# Allegro board PandaX_III_V3.brd (continued)
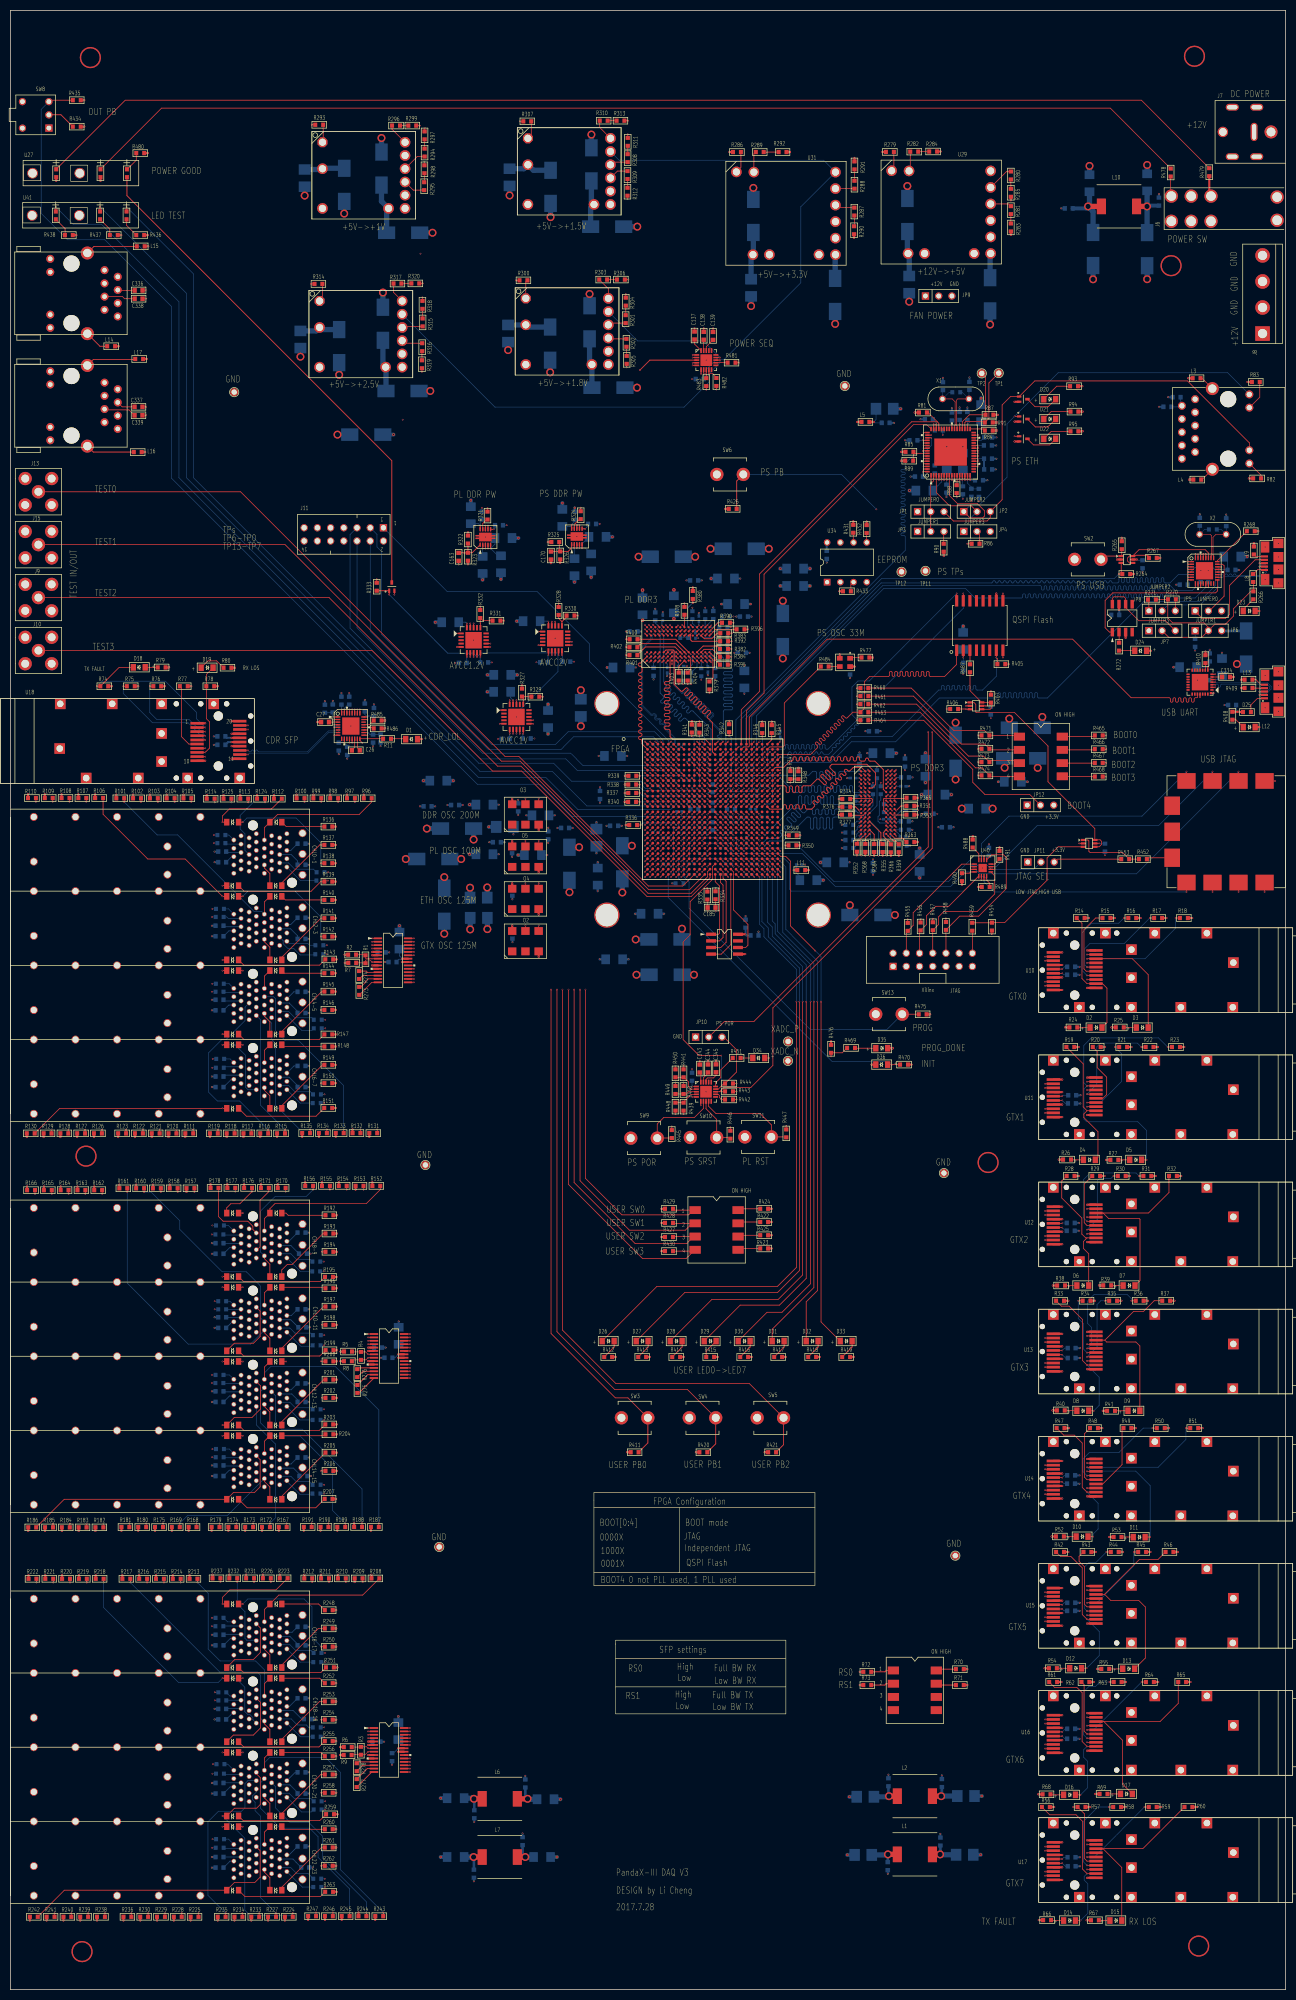
[diagram p0: board, top side]
## Routing (per net, layer and track width the routed paths; a pad name or vN(x,y) marks a point on that pad's centre or on a via; arc(x,y) is an arc through that point) (continued)
DDR3_DQ0: length 41
  TOP w0.152: U1.J26 148.75,231.12 arc(148.96,231.03) 149.05,230.82 149.05,230.1 arc(149.36,229.79) 149.66,230.1 149.66,230.82 arc(149.97,231.12) 150.27,230.82 150.27,230.1 arc(150.58,229.79) 150.88,230.1 150.88,230.82 arc(151.19,231.12) 151.49,230.82 151.49,230.1 arc(151.8,229.79) 152.1,230.1 152.1,230.82 arc(152.19,231.03) 152.4,231.12 153.7,231.12 154.93,232.35 arc(155.15,232.44) 155.36,232.35 156.27,231.45 arc(156.7,231.45) 156.7,231.88 155.8,232.78 arc(155.8,233.22) 156.23,233.22 157.13,232.31 arc(157.56,232.31) 157.56,232.74 156.66,233.65 arc(156.66,234.08) 157.09,234.08 157.99,233.18 arc(158.42,233.18) 158.42,233.61 157.52,234.51 arc(157.43,234.72) 157.52,234.94 157.84,235.26 164.57,235.26 166.24,233.58 166.24,231.37 165.56,230.69 U33.E3
DDR3_DQ1: length 41.1
  TOP w0.152: U1.F25 146.93,234.62 148.54,234.62 149.78,235.87 150.06,235.87 arc(150.28,235.95) 150.37,236.17 150.37,236.42 arc(150.67,236.73) 150.98,236.42 150.98,236.17 arc(151.28,235.87) 151.59,236.17 151.59,236.42 arc(151.89,236.73) 152.2,236.42 152.2,236.17 arc(152.5,235.87) 152.81,236.17 152.81,236.42 arc(153.11,236.73) 153.42,236.42 153.42,236.17 arc(153.72,235.87) 154.03,236.17 154.03,236.42 arc(154.33,236.73) 154.64,236.42 154.64,236.17 arc(154.94,235.87) 155.24,236.17 155.24,236.42 arc(155.55,236.73) 155.85,236.42 155.85,236.17 arc(156.16,235.87) 156.46,236.17 156.46,236.42 arc(156.77,236.73) 157.07,236.42 157.07,236.17 arc(157.38,235.87) 157.68,236.17 157.68,236.42 arc(157.99,236.73) 158.29,236.42 158.29,236.17 arc(158.6,235.87) 158.9,236.17 158.9,236.42 arc(159.21,236.73) 159.51,236.42 159.51,236.17 arc(159.82,235.87) 160.12,236.17 160.12,236.42 arc(160.43,236.73) 160.73,236.42 160.73,236.17 arc(161.04,235.87) 161.34,236.17 161.34,236.42 arc(161.65,236.73) 161.95,236.42 161.95,236.17 arc(162.26,235.87) 162.56,236.17 162.56,236.42 arc(162.86,236.73) 163.17,236.42 163.17,236.17 arc(163.26,235.95) 163.47,235.87 164,235.87 arc(164.2,235.95) 164.29,236.16 arc(164.37,236.36) 164.58,236.45 164.61,236.45 arc(164.81,236.36) 164.9,236.16 arc(164.98,235.95) 165.19,235.87 166.09,235.87 167.72,234.24 167.72,230.45 U33.F7
DDR3_DQ2: length 35.1
  TOP w0.102: U1.J25 v1(146.93,231.62)
  TOP w0.127: U33.F2 v1(163.94,230.23)
  SIG1 w0.152: v1(163.94,230.23) 163.93,230.23 163.47,230.68 160.97,230.68 arc(160.76,230.77) 160.67,230.99 160.67,231.57 arc(160.36,231.88) 160.06,231.57 160.06,230.99 arc(159.75,230.68) 159.45,230.99 159.45,231.57 arc(159.14,231.88) 158.84,231.57 158.84,230.99 arc(158.53,230.68) 158.23,230.99 158.23,231.57 arc(157.92,231.88) 157.62,231.57 157.62,230.99 arc(157.32,230.68) 157.01,230.99 157.01,231.57 arc(156.71,231.88) 156.4,231.57 156.4,230.99 arc(156.1,230.68) 155.79,230.99 155.79,231.57 arc(155.49,231.88) 155.18,231.57 155.18,230.99 arc(154.88,230.68) 154.57,230.99 154.57,231.57 arc(154.27,231.88) 153.96,231.57 153.96,230.99 arc(153.66,230.68) 153.35,230.99 153.35,231.57 arc(153.05,231.88) 152.74,231.57 152.74,230.99 arc(152.65,230.77) 152.44,230.68 151.81,230.68 arc(151.6,230.77) 151.51,230.99 151.51,232.26 arc(151.2,232.56) 150.9,232.26 150.9,230.99 arc(150.81,230.77) 150.59,230.68 150.09,230.68 149.15,231.62 v1(146.93,231.62)
DDR3_DQ3: length 35.3
  TOP w0.102: U1.G26 v1(147.93,233.62)
  TOP w0.127: U33.F8 v1(169.41,230.23)
  SIG1 w0.152: v1(169.41,230.23) 168.35,230.23 167.72,230.86 167.72,233.36 arc(167.65,233.53) 167.47,233.6 arc(167.3,233.68) 167.23,233.85 167.23,233.97 arc(167.3,234.14) 167.47,234.21 arc(167.65,234.29) 167.72,234.46 167.72,234.82 166.85,235.69 165.77,235.69 arc(165.59,235.76) 165.52,235.93 arc(165.45,236.1) 165.28,236.17 165.16,236.17 arc(164.99,236.1) 164.91,235.93 arc(164.84,235.76) 164.67,235.69 164.55,235.69 arc(164.38,235.76) 164.31,235.93 arc(164.23,236.1) 164.06,236.17 163.94,236.17 arc(163.77,236.1) 163.7,235.93 arc(163.62,235.76) 163.45,235.69 163.33,235.69 arc(163.16,235.76) 163.09,235.93 arc(163.02,236.1) 162.84,236.17 162.72,236.17 arc(162.55,236.1) 162.48,235.93 arc(162.41,235.76) 162.23,235.69 162.11,235.69 arc(161.94,235.76) 161.87,235.93 arc(161.8,236.1) 161.63,236.17 161.5,236.17 arc(161.33,236.1) 161.26,235.93 arc(161.19,235.76) 161.02,235.69 160.89,235.69 arc(160.72,235.76) 160.65,235.93 arc(160.58,236.1) 160.41,236.17 160.28,236.17 arc(160.11,236.1) 160.04,235.93 arc(159.97,235.76) 159.8,235.69 159.67,235.69 arc(159.5,235.76) 159.43,235.93 arc(159.36,236.1) 159.19,236.17 159.06,236.17 arc(158.89,236.1) 158.82,235.93 arc(158.75,235.76) 158.58,235.69 158.45,235.69 arc(158.28,235.76) 158.21,235.93 arc(158.14,236.1) 157.97,236.17 157.84,236.17 arc(157.67,236.1) 157.6,235.93 arc(157.53,235.76) 157.36,235.69 157.23,235.69 arc(157.06,235.76) 156.99,235.93 arc(156.92,236.1) 156.75,236.17 156.62,236.17 arc(156.45,236.1) 156.38,235.93 arc(156.31,235.76) 156.14,235.69 156.01,235.69 arc(155.84,235.76) 155.77,235.93 arc(155.7,236.1) 155.53,236.17 155.4,236.17 arc(155.23,236.1) 155.16,235.93 arc(155.09,235.76) 154.92,235.69 154.79,235.69 arc(154.62,235.76) 154.55,235.93 arc(154.48,236.1) 154.31,236.17 154.18,236.17 arc(154.01,236.1) 153.94,235.93 arc(153.87,235.76) 153.7,235.69 153.57,235.69 arc(153.4,235.76) 153.33,235.93 arc(153.26,236.1) 153.09,236.17 152.96,236.17 arc(152.79,236.1) 152.72,235.93 arc(152.65,235.76) 152.48,235.69 152.35,235.69 arc(152.18,235.76) 152.11,235.93 arc(152.04,236.1) 151.87,236.17 151.74,236.17 arc(151.57,236.1) 151.5,235.93 arc(151.43,235.76) 151.26,235.69 150.27,235.69 148.2,233.62 v1(147.93,233.62)
DDR3_DQ4: length 40.7
  TOP w0.102: U1.H26 v1(147.93,232.62)
  TOP w0.127: U33.H3 v1(164.74,227.95)
  BOTTOM w0.152: v1(164.74,227.95) 164.41,228.28 164.41,229.63 164.21,229.82 162.13,229.82 arc(161.91,229.91) 161.82,230.13 161.82,230.89 arc(161.52,231.19) 161.21,230.89 161.21,230.13 arc(160.91,229.82) 160.6,230.13 160.6,230.89 arc(160.3,231.19) 159.99,230.89 159.99,230.13 arc(159.69,229.82) 159.38,230.13 159.38,230.89 arc(159.08,231.19) 158.77,230.89 158.77,230.13 arc(158.47,229.82) 158.16,230.13 158.16,230.89 arc(157.86,231.19) 157.55,230.89 157.55,230.13 arc(157.25,229.82) 156.94,230.13 156.94,230.89 arc(156.64,231.19) 156.33,230.89 156.33,230.13 arc(156.03,229.82) 155.72,230.13 155.72,230.89 arc(155.42,231.19) 155.12,230.89 155.12,230.13 arc(154.81,229.82) 154.51,230.13 154.51,230.89 arc(154.2,231.19) 153.9,230.89 153.9,230.13 arc(153.59,229.82) 153.29,230.13 153.29,230.89 arc(152.98,231.19) 152.68,230.89 152.68,230.13 arc(152.37,229.82) 152.07,230.13 152.07,230.89 arc(151.76,231.19) 151.46,230.89 151.46,230.13 arc(151.37,229.91) 151.15,229.82 150.73,229.82 v1(147.93,232.62)
DDR3_DQ5: length 35.7
  TOP w0.102: U1.H23 v1(144.93,232.62)
  TOP w0.127: U33.H8 v1(169.41,227.95)
  SIG2 w0.152: v1(169.41,227.95) 169.8,228.34 169.8,234.34 168.22,235.92 157.88,235.92 arc(157.81,235.95) 157.78,236.02 arc(157.75,236.09) 157.68,236.12 157.27,236.12 arc(157.2,236.09) 157.17,236.02 arc(157.14,235.95) 157.07,235.92 156.66,235.92 arc(156.59,235.95) 156.56,236.02 arc(156.53,236.09) 156.46,236.12 156.05,236.12 arc(155.98,236.09) 155.95,236.02 arc(155.92,235.95) 155.85,235.92 155.44,235.92 arc(155.37,235.95) 155.34,236.02 arc(155.31,236.09) 155.24,236.12 154.83,236.12 arc(154.76,236.09) 154.73,236.02 arc(154.7,235.95) 154.63,235.92 150.39,235.92 148.87,234.39 148.87,233.81 148.16,233.1 145.36,233.1 144.93,232.66 v1(144.93,232.62)
DDR3_DQ6: length 35.7
  TOP w0.102: U1.J24 v1(145.93,231.62)
  TOP w0.127: U33.G2 v1(163.94,229.43)
  SIG1 w0.152: v1(145.93,231.62) 146.44,231.12 148.31,231.12 149.53,229.9 arc(149.74,229.81) 149.83,229.59 149.83,228.88 arc(150.14,228.58) 150.44,228.88 150.44,229.59 arc(150.75,229.9) 151.05,229.59 151.05,228.88 arc(151.36,228.58) 151.66,228.88 151.66,229.59 arc(151.97,229.9) 152.27,229.59 152.27,228.88 arc(152.58,228.58) 152.88,228.88 152.88,229.59 arc(153.19,229.9) 153.49,229.59 153.49,228.88 arc(153.8,228.58) 154.1,228.88 154.1,229.59 arc(154.41,229.9) 154.71,229.59 154.71,228.88 arc(155.02,228.58) 155.32,228.88 155.32,229.59 arc(155.63,229.9) 155.93,229.59 155.93,228.88 arc(156.23,228.58) 156.54,228.88 156.54,229.59 arc(156.84,229.9) 157.15,229.59 157.15,228.88 arc(157.45,228.58) 157.76,228.88 157.76,229.59 arc(157.85,229.81) 158.06,229.9 158.36,229.9 arc(158.48,229.85) 158.52,229.73 arc(158.57,229.61) 158.69,229.57 158.97,229.57 arc(159.09,229.61) 159.13,229.73 arc(159.18,229.85) 159.3,229.9 159.58,229.9 arc(159.7,229.85) 159.74,229.73 arc(159.79,229.61) 159.91,229.57 160.19,229.57 arc(160.3,229.61) 160.35,229.73 arc(160.4,229.85) 160.52,229.9 163.5,229.9 163.94,229.46 v1(163.94,229.43)
DDR3_DQ7: length 35.9
  TOP w0.102: U1.J23 v1(144.93,231.62)
  TOP w0.127: U33.H7 v1(168.61,227.95)
  SIG2 w0.152: v1(144.93,231.62) 145.45,232.15 148.05,232.15 151.26,235.36 152.98,235.36 arc(153.13,235.29) 153.19,235.14 arc(153.26,234.99) 153.41,234.93 153.59,234.93 arc(153.74,234.99) 153.8,235.14 arc(153.86,235.29) 154.02,235.36 154.2,235.36 arc(154.35,235.29) 154.41,235.14 arc(154.47,234.99) 154.63,234.93 154.8,234.93 arc(154.96,234.99) 155.02,235.14 arc(155.08,235.29) 155.24,235.36 155.41,235.36 arc(155.57,235.29) 155.63,235.14 arc(155.69,234.99) 155.85,234.93 156.02,234.93 arc(156.18,234.99) 156.24,235.14 arc(156.3,235.29) 156.46,235.36 156.76,235.36 arc(156.92,235.29) 156.98,235.13 arc(157.05,234.97) 157.21,234.9 157.36,234.9 arc(157.53,234.97) 157.59,235.13 arc(157.66,235.29) 157.82,235.36 168.12,235.36 168.99,234.49 168.99,228.32 v1(168.61,227.95)
DDR3_DQ8: length 32.3
  TOP w0.102: U33.D7 v1(168.63,231.85) ; U1.K26 v1(147.93,230.62)
  SIG4 w0.152: v1(168.63,231.85) 168.16,231.37 161.92,231.37 arc(161.71,231.28) 161.62,231.06 161.62,230.86 arc(161.32,230.56) 161.01,230.86 161.01,231.06 arc(160.71,231.37) 160.4,231.06 160.4,230.86 arc(160.1,230.56) 159.79,230.86 159.79,231.06 arc(159.49,231.37) 159.18,231.06 159.18,230.86 arc(158.88,230.56) 158.57,230.86 158.57,231.06 arc(158.27,231.37) 157.96,231.06 157.96,230.86 arc(157.66,230.56) 157.35,230.86 157.35,231.06 arc(157.05,231.37) 156.74,231.06 156.74,230.86 arc(156.44,230.56) 156.13,230.86 156.13,231.06 arc(155.83,231.37) 155.52,231.06 155.52,230.86 arc(155.22,230.56) 154.91,230.86 154.91,231.06 arc(154.61,231.37) 154.31,231.06 154.31,230.86 arc(154,230.56) 153.7,230.86 153.7,231.06 arc(153.39,231.37) 153.09,231.06 153.09,230.86 arc(152.78,230.56) 152.48,230.86 152.48,231.06 arc(152.17,231.37) 151.87,231.06 151.87,230.86 arc(151.56,230.56) 151.26,230.86 151.26,231.06 arc(151.17,231.28) 150.95,231.37 150.67,231.37 149.93,230.62 v1(147.93,230.62)
DDR3_DQ9: length 32.6
  TOP w0.102: U1.L23 v1(144.93,229.62)
  TOP w0.127: U33.C3 v1(164.74,232.63)
  SIG2 w0.152: v1(164.74,232.63) 164.37,232.26 162.56,232.26 162.17,231.87 arc(162.03,231.81) 161.89,231.87 arc(161.75,231.93) 161.61,231.87 161.46,231.72 arc(161.4,231.58) 161.46,231.44 arc(161.52,231.3) 161.46,231.16 160.48,230.18 159.67,230.18 arc(159.45,230.27) 159.36,230.48 159.36,230.68 arc(159.06,230.99) 158.76,230.68 158.76,230.48 arc(158.45,230.18) 158.15,230.48 158.15,230.68 arc(157.84,230.99) 157.54,230.68 157.54,230.48 arc(157.23,230.18) 156.93,230.48 156.93,230.68 arc(156.62,230.99) 156.32,230.68 156.32,230.48 arc(156.01,230.18) 155.71,230.48 155.71,230.68 arc(155.4,230.99) 155.1,230.68 155.1,230.48 arc(154.79,230.18) 154.49,230.48 154.49,230.68 arc(154.18,230.99) 153.88,230.68 153.88,230.48 arc(153.57,230.18) 153.27,230.48 153.27,230.68 arc(152.96,230.99) 152.66,230.68 152.66,230.48 arc(152.35,230.18) 152.05,230.48 152.05,230.68 arc(151.74,230.99) 151.44,230.68 151.44,230.48 arc(151.14,230.18) 150.83,230.48 150.83,230.68 arc(150.53,230.99) 150.22,230.68 150.22,230.48 arc(149.92,230.18) 149.61,230.48 149.61,230.68 arc(149.31,230.99) 149,230.68 149,230.48 arc(148.91,230.27) 148.7,230.18 145.48,230.18 v1(144.93,229.62)
DDR3_DQ10: length 32.2
  TOP w0.102: U1.M26 v1(147.93,228.62)
  TOP w0.127: U33.C8 v1(169.41,232.63)
  SIG3 w0.152: v1(147.93,228.62) 151.91,228.62 153.21,229.92 154.04,229.92 arc(154.26,230.01) 154.35,230.23 154.35,230.86 arc(154.65,231.17) 154.96,230.86 154.96,230.23 arc(155.26,229.92) 155.57,230.23 155.57,230.86 arc(155.87,231.17) 156.18,230.86 156.18,230.23 arc(156.48,229.92) 156.78,230.23 156.78,230.86 arc(157.09,231.17) 157.39,230.86 157.39,230.23 arc(157.7,229.92) 158,230.23 158,230.86 arc(158.31,231.17) 158.61,230.86 158.61,230.23 arc(158.7,230.01) 158.92,229.92 159.59,229.92 161.9,232.23 169.02,232.23 v1(169.41,232.63)
DDR3_DQ11: length 32.3
  TOP w0.102: U1.K23 v1(144.93,230.62)
  TOP w0.127: U33.C2 v1(163.94,232.63)
  SIG2 w0.152: v1(163.94,232.63) 163.94,232.69 163.58,233.05 158.65,233.05 arc(158.43,232.96) 158.34,232.74 158.34,232.31 arc(158.04,232) 157.73,232.31 157.73,232.74 arc(157.43,233.05) 157.12,232.74 157.12,232.31 arc(156.82,232) 156.51,232.31 156.51,232.74 arc(156.21,233.05) 155.91,232.74 155.91,232.31 arc(155.6,232) 155.3,232.31 155.3,232.74 arc(154.99,233.05) 154.69,232.74 154.69,232.31 arc(154.38,232) 154.08,232.31 154.08,232.74 arc(153.77,233.05) 153.47,232.74 153.47,232.31 arc(153.16,232) 152.86,232.31 152.86,232.74 arc(152.55,233.05) 152.25,232.74 152.25,232.31 arc(151.94,232) 151.64,232.31 151.64,232.74 arc(151.33,233.05) 151.03,232.74 151.03,232.31 arc(150.72,232) 150.42,232.31 150.42,232.74 arc(150.33,232.96) 150.11,233.05 149.83,233.05 148.06,231.27 145.57,231.27 v1(144.93,230.62)
DDR3_DQ12: length 32.1
  TOP w0.102: U1.M25 v1(146.93,228.62)
  TOP w0.127: U33.A7 v1(168.61,234.23)
  SIG3 w0.152: v1(146.93,228.62) 146.93,228.61 147.52,228.02 162,228.02 162.74,228.75 169.7,228.75 169.85,228.91 169.85,234.67 169.7,234.82 169.21,234.82 v1(168.61,234.23)
DDR3_DQ13: length 37.1
  TOP w0.152: U33.A2 163.54,234.62 161.92,234.62 161.34,234.04 arc(161.13,233.95) 160.91,234.04 160.73,234.22 arc(160.3,234.22) 160.3,233.79 160.48,233.61 arc(160.48,233.18) 160.05,233.18 159.87,233.35 arc(159.44,233.35) 159.44,232.92 159.62,232.74 arc(159.62,232.31) 159.19,232.31 159.01,232.49 arc(158.58,232.49) 158.58,232.06 158.76,231.88 arc(158.76,231.45) 158.32,231.45 158.15,231.63 arc(157.71,231.63) 157.71,231.2 157.89,231.02 arc(157.89,230.59) 157.46,230.59 157.28,230.77 arc(156.85,230.77) 156.85,230.34 157.03,230.16 arc(157.03,229.73) 156.6,229.73 156.42,229.91 arc(155.99,229.91) 155.99,229.47 156.17,229.3 arc(156.17,228.87) 155.74,228.87 155.56,229.04 arc(155.13,229.04) 155.13,228.61 155.31,228.43 arc(155.31,228) 154.88,228 154.7,228.18 arc(154.27,228.18) 154.27,227.75 154.44,227.57 arc(154.53,227.36) 154.44,227.14 153.95,226.65 153.06,226.65 arc(152.84,226.73) 152.75,226.95 152.75,227.2 arc(152.45,227.51) 152.14,227.2 152.14,226.95 arc(151.84,226.65) 151.53,226.95 151.53,227.2 arc(151.23,227.51) 150.92,227.2 150.92,226.95 arc(150.62,226.65) 150.31,226.95 150.31,227.2 arc(150.01,227.51) 149.7,227.2 149.7,226.95 arc(149.4,226.65) 149.1,226.95 149.1,227.2 arc(148.79,227.51) 148.49,227.2 148.49,226.95 arc(148.4,226.73) 148.18,226.65 145.9,226.65 U1.N24
DDR3_DQ14: length 31.9
  TOP w0.102: U1.M24 v1(145.93,228.62)
  TOP w0.127: U33.B8 v1(169.41,233.43)
  SIG3 w0.152: v1(145.93,228.62) 146.36,229.06 148.42,229.06 arc(148.64,229.15) 148.73,229.36 148.73,230.23 arc(149.03,230.53) 149.34,230.23 149.34,229.36 arc(149.64,229.06) 149.95,229.36 149.95,230.23 arc(150.25,230.53) 150.56,230.23 150.56,229.36 arc(150.65,229.15) 150.86,229.06 151.36,229.06 156.2,233.9 168.94,233.9 v1(169.41,233.43)
DDR3_DQ15: length 36.3
  TOP w0.102: U1.N23 v1(144.93,227.62)
  TOP w0.127: U33.A3 v1(164.74,234.23)
  BOTTOM w0.152: v1(144.93,227.62) 145.88,227.62 146.43,228.17 146.43,232.87 146.71,233.15 153.4,233.15 154.15,233.9 154.6,233.9 arc(154.82,233.81) 154.91,233.59 154.91,232.72 arc(155.21,232.41) 155.51,232.72 155.51,233.59 arc(155.82,233.9) 156.12,233.59 156.12,232.72 arc(156.43,232.41) 156.73,232.72 156.73,233.59 arc(157.04,233.9) 157.34,233.59 157.34,232.72 arc(157.65,232.41) 157.95,232.72 157.95,233.59 arc(158.26,233.9) 158.56,233.59 158.56,232.72 arc(158.87,232.41) 159.17,232.72 159.17,233.59 arc(159.26,233.81) 159.48,233.9 164.41,233.9 v1(164.74,234.23)
DDR3_LDM: length 35.9
  TOP w0.102: U1.G24 v1(145.93,233.62)
  TOP w0.127: U33.E7 v1(168.61,231.03)
  SIG1 w0.152: v1(145.93,233.62) 146.88,234.58 148.16,234.58 150.16,236.58 150.55,236.58 arc(150.71,236.64) 150.78,236.81 arc(150.85,236.97) 151.01,237.03 151.16,237.03 arc(151.32,236.97) 151.39,236.81 arc(151.46,236.64) 151.62,236.58 151.77,236.58 arc(151.93,236.64) 152,236.81 arc(152.07,236.97) 152.23,237.03 152.38,237.03 arc(152.54,236.97) 152.61,236.81 arc(152.68,236.64) 152.84,236.58 152.99,236.58 arc(153.15,236.64) 153.22,236.81 arc(153.29,236.97) 153.45,237.03 153.6,237.03 arc(153.76,236.97) 153.83,236.81 arc(153.9,236.64) 154.06,236.58 154.21,236.58 arc(154.37,236.64) 154.44,236.81 arc(154.51,236.97) 154.67,237.03 154.82,237.03 arc(154.98,236.97) 155.05,236.81 arc(155.12,236.64) 155.28,236.58 155.43,236.58 arc(155.59,236.64) 155.66,236.81 arc(155.72,236.97) 155.89,237.03 156.04,237.03 arc(156.2,236.97) 156.27,236.81 arc(156.33,236.64) 156.5,236.58 156.65,236.58 arc(156.81,236.64) 156.88,236.81 arc(156.94,236.97) 157.11,237.03 157.26,237.03 arc(157.42,236.97) 157.49,236.81 arc(157.55,236.64) 157.72,236.58 157.87,236.58 arc(158.03,236.64) 158.1,236.81 arc(158.16,236.97) 158.32,237.03 158.48,237.03 arc(158.64,236.97) 158.71,236.81 arc(158.77,236.64) 158.93,236.58 159.09,236.58 arc(159.25,236.64) 159.32,236.81 arc(159.38,236.97) 159.54,237.03 159.7,237.03 arc(159.86,236.97) 159.92,236.81 arc(159.99,236.64) 160.15,236.58 160.31,236.58 arc(160.47,236.64) 160.53,236.81 arc(160.6,236.97) 160.76,237.03 160.92,237.03 arc(161.08,236.97) 161.14,236.81 arc(161.21,236.64) 161.37,236.58 165.2,236.58 arc(165.42,236.67) 165.51,236.88 165.51,237.06 arc(165.81,237.36) 166.12,237.06 166.12,236.88 arc(166.21,236.67) 166.42,236.58 167.69,236.58 168.27,235.99 168.27,231.37 v1(168.61,231.03)
DDR3_LDQS_N: length 35.7
  TOP w0.102: U1.G25 v1(146.93,233.62)
  TOP w0.127: U33.G3 v1(164.74,229.43)
  SIG1 w0.102: v1(164.74,229.43) 165.02,229.71 165.47,229.71 166.5,230.74 166.5,234.08 165.78,234.8 162.59,234.8 arc(162.28,234.67) 162.15,234.37 162.15,234.15 arc(162.1,234.02) 161.96,233.96 161.95,233.96 arc(161.81,234.02) 161.75,234.16 161.75,234.37 arc(161.32,234.8) 160.88,234.37 160.88,234.15 arc(160.83,234.02) 160.69,233.96 160.68,233.96 arc(160.54,234.02) 160.48,234.16 160.48,234.37 arc(160.05,234.8) 159.61,234.37 159.61,234.15 arc(159.56,234.02) 159.42,233.96 159.41,233.96 arc(159.27,234.02) 159.21,234.16 159.21,234.37 arc(158.78,234.8) 158.34,234.37 158.34,234.15 arc(158.29,234.02) 158.15,233.96 158.14,233.96 arc(158,234.02) 157.94,234.16 157.94,234.37 arc(157.51,234.8) 157.07,234.37 157.07,234.15 arc(157.02,234.02) 156.88,233.96 156.87,233.96 arc(156.73,234.02) 156.67,234.16 156.67,234.37 arc(156.24,234.8) 155.8,234.37 155.8,234.15 arc(155.75,234.02) 155.61,233.96 155.6,233.96 arc(155.46,234.02) 155.4,234.16 155.4,234.37 arc(154.97,234.8) 154.53,234.37 154.53,234.15 arc(154.48,234.02) 154.34,233.96 154.33,233.96 arc(154.19,234.02) 154.13,234.16 154.13,234.37 arc(154,234.67) 153.7,234.8 152.64,234.8 151.01,233.17 147.03,233.17 146.93,233.27 v1(146.93,233.62)
DDR3_LDQS_P: length 35.7
  TOP w0.102: U1.H24 v1(145.93,232.62)
  TOP w0.127: U33.F3 v1(164.74,230.23)
  SIG1 w0.102: v1(145.93,232.62) 146.25,232.94 151.1,232.94 152.73,234.57 153.7,234.57 arc(153.84,234.51) 153.9,234.37 153.9,234.16 arc(154.03,233.86) 154.33,233.73 154.34,233.73 arc(154.64,233.85) 154.76,234.15 154.76,234.37 arc(154.97,234.57) 155.17,234.37 155.17,234.16 arc(155.3,233.86) 155.6,233.73 155.61,233.73 arc(155.91,233.85) 156.03,234.15 156.03,234.37 arc(156.24,234.57) 156.44,234.37 156.44,234.16 arc(156.57,233.86) 156.87,233.73 156.88,233.73 arc(157.18,233.85) 157.3,234.15 157.3,234.37 arc(157.51,234.57) 157.71,234.37 157.71,234.16 arc(157.84,233.86) 158.14,233.73 158.15,233.73 arc(158.45,233.85) 158.57,234.15 158.57,234.37 arc(158.78,234.57) 158.98,234.37 158.98,234.16 arc(159.11,233.86) 159.41,233.73 159.42,233.73 arc(159.72,233.85) 159.84,234.15 159.84,234.37 arc(160.05,234.57) 160.25,234.37 160.25,234.16 arc(160.38,233.86) 160.68,233.73 160.69,233.73 arc(160.99,233.85) 161.11,234.15 161.11,234.37 arc(161.32,234.57) 161.52,234.37 161.52,234.16 arc(161.65,233.86) 161.95,233.73 161.96,233.73 arc(162.26,233.85) 162.38,234.15 162.38,234.37 arc(162.44,234.51) 162.59,234.57 165.68,234.57 166.27,233.99 166.27,230.84 165.37,229.94 165.02,229.94 v1(164.74,230.23)
DDR3_ODT: length 43.6
  TOP w0.102: U1.Y22 v1(143.93,219.62)
  TOP w0.127: U33.K1 v1(163.14,226.35)
  TOP w0.152: R376.1 162.39,227.1 v1(163.14,226.35)
  BOTTOM w0.152: v1(143.93,219.62) 144,219.62 145.39,221.01 147.62,221.01 148.11,221.49 arc(148.2,221.71) 148.11,221.92 147.94,222.09 arc(147.94,222.52) 148.38,222.52 148.54,222.35 arc(148.97,222.35) 148.97,222.79 148.81,222.95 arc(148.81,223.38) 149.24,223.38 149.4,223.22 arc(149.62,223.13) 149.83,223.22 150.03,223.41 arc(150.12,223.63) 150.03,223.85 149.27,224.61 arc(149.27,225.04) 149.7,225.04 150.46,224.28 arc(150.89,224.28) 150.89,224.71 150.13,225.47 arc(150.13,225.9) 150.56,225.9 151.33,225.14 arc(151.76,225.14) 151.76,225.57 150.99,226.33 arc(150.99,226.76) 151.42,226.76 152.19,226 arc(152.4,225.91) 152.62,226 153.29,226.67 153.8,226.67 arc(154.01,226.58) 154.1,226.37 154.1,225.86 arc(154.41,225.55) 154.71,225.86 154.71,226.37 arc(155.02,226.67) 155.32,226.37 155.32,225.86 arc(155.63,225.55) 155.93,225.86 155.93,226.37 arc(156.24,226.67) 156.54,226.37 156.54,225.86 arc(156.84,225.55) 157.15,225.86 157.15,226.37 arc(157.45,226.67) 157.76,226.37 157.76,225.86 arc(158.06,225.55) 158.37,225.86 158.37,226.37 arc(158.46,226.58) 158.67,226.67 159.59,226.67 159.97,227.05 162.44,227.05 v1(163.14,226.35)
DDR3_RAS_B: length 46.8
  TOP w0.102: U1.V23 v1(144.93,221.62)
  TOP w0.127: U33.J3 v1(164.74,227.15)
  TOP w0.152: U33.J3 165.61,228.02 165.61,228.52 165.46,228.68 161.44,228.68 R374.1
  BOTTOM w0.152: v1(144.93,221.62) 150.85,227.53 151.12,227.53 arc(151.34,227.62) 151.43,227.84 151.43,228.96 arc(151.73,229.26) 152.04,228.96 152.04,227.84 arc(152.34,227.53) 152.65,227.84 152.65,228.96 arc(152.95,229.26) 153.26,228.96 153.26,227.84 arc(153.56,227.53) 153.87,227.84 153.87,228.96 arc(154.17,229.26) 154.48,228.96 154.48,227.84 arc(154.78,227.53) 155.09,227.84 155.09,228.96 arc(155.39,229.26) 155.7,228.96 155.7,227.84 arc(156,227.53) 156.31,227.84 156.31,228.96 arc(156.61,229.26) 156.92,228.96 156.92,227.84 arc(157.22,227.53) 157.53,227.84 157.53,228.96 arc(157.83,229.26) 158.14,228.96 158.14,227.84 arc(158.22,227.62) 158.44,227.53 164.26,227.53 164.64,227.15 v1(164.74,227.15)
DDR3_RESET_B: length 38.4
  TOP w0.102: U1.H22 v1(143.93,232.62)
  TOP w0.127: U33.T2 v1(163.94,221.55)
  TOP w0.152: R352.2 162.64,220.25 v1(163.94,221.55)
  SIG3 w0.152: v1(143.93,232.62) 143.41,232.1 143.41,227.41 144.6,226.21 150.85,226.21 152.96,224.11 153.64,224.11 arc(153.85,224.19) 153.94,224.41 153.94,224.69 arc(154.25,224.99) 154.55,224.69 154.55,224.41 arc(154.86,224.11) 155.16,224.41 155.16,224.69 arc(155.47,224.99) 155.77,224.69 155.77,224.41 arc(156.08,224.11) 156.38,224.41 156.38,224.69 arc(156.68,224.99) 156.99,224.69 156.99,224.41 arc(157.08,224.19) 157.29,224.11 161.11,224.11 161.6,223.62 164.77,223.62 165.07,223.32 165.07,222.22 164.87,222.02 164.87,222.02 164.82,221.97 164.36,221.97 v1(163.94,221.55)
DDR3_UDM: length 32.3
  TOP w0.102: U1.K25 v1(146.93,230.62)
  TOP w0.127: U33.D3 v1(164.74,231.83)
  SIG4 w0.152: v1(146.93,230.62) 146.93,230.67 148.41,232.16 152.86,232.16 arc(153.07,232.25) 153.16,232.46 153.16,233.1 arc(153.46,233.4) 153.77,233.1 153.77,232.46 arc(154.07,232.16) 154.38,232.46 154.38,233.1 arc(154.68,233.4) 154.99,233.1 154.99,232.46 arc(155.29,232.16) 155.6,232.46 155.6,233.1 arc(155.9,233.4) 156.21,233.1 156.21,232.46 arc(156.51,232.16) 156.82,232.46 156.82,233.1 arc(157.12,233.4) 157.43,233.1 157.43,232.46 arc(157.73,232.16) 158.04,232.46 158.04,233.1 arc(158.34,233.4) 158.65,233.1 158.65,232.46 arc(158.95,232.16) 159.26,232.46 159.26,233.1 arc(159.56,233.4) 159.87,233.1 159.87,232.46 arc(159.95,232.25) 160.17,232.16 161.2,232.16 arc(161.42,232.25) 161.51,232.46 arc(161.59,232.68) 161.81,232.77 arc(162.03,232.68) 162.12,232.46 arc(162.2,232.25) 162.42,232.16 164.41,232.16 v1(164.74,231.83)
DDR3_UDQS_N: length 32.3
  TOP w0.102: U1.L25 v1(146.93,229.62)
  TOP w0.127: U33.B7 v1(168.61,233.43)
  SIG2 w0.102: v1(168.61,233.43) 168.33,233.14 167.43,233.14 166.04,231.75 166.04,229.36 165.61,228.93 161.72,228.93 160.88,228.09 156.75,228.09 arc(156.61,228.15) 156.55,228.3 156.55,228.41 arc(156.46,228.64) 156.23,228.73 156.12,228.73 arc(155.81,228.6) 155.69,228.3 arc(155.48,228.09) 155.28,228.3 155.28,228.41 arc(155.19,228.64) 154.96,228.73 154.85,228.73 arc(154.54,228.6) 154.42,228.3 arc(154.21,228.09) 154.01,228.3 154.01,228.41 arc(153.92,228.64) 153.69,228.73 153.58,228.73 arc(153.27,228.6) 153.15,228.3 arc(152.94,228.09) 152.74,228.3 152.74,228.41 arc(152.65,228.64) 152.42,228.73 152.31,228.73 arc(152,228.6) 151.88,228.3 arc(151.67,228.09) 151.47,228.3 151.47,228.41 arc(151.38,228.64) 151.15,228.73 151.04,228.73 arc(150.73,228.6) 150.61,228.3 arc(150.55,228.15) 150.4,228.09 149.71,228.09 149.28,228.52 arc(149.23,228.65) 149.28,228.79 arc(149.34,228.92) 149.28,229.05 149.26,229.07 arc(149.13,229.13) 148.99,229.07 arc(148.86,229.02) 148.73,229.07 148.56,229.24 146.66,229.24 146.56,229.34 146.56,229.52 146.66,229.62 v1(146.93,229.62)